# KiCad board AMC_FMC_Carrier-PcbDoc.kicad_pcb (continued)
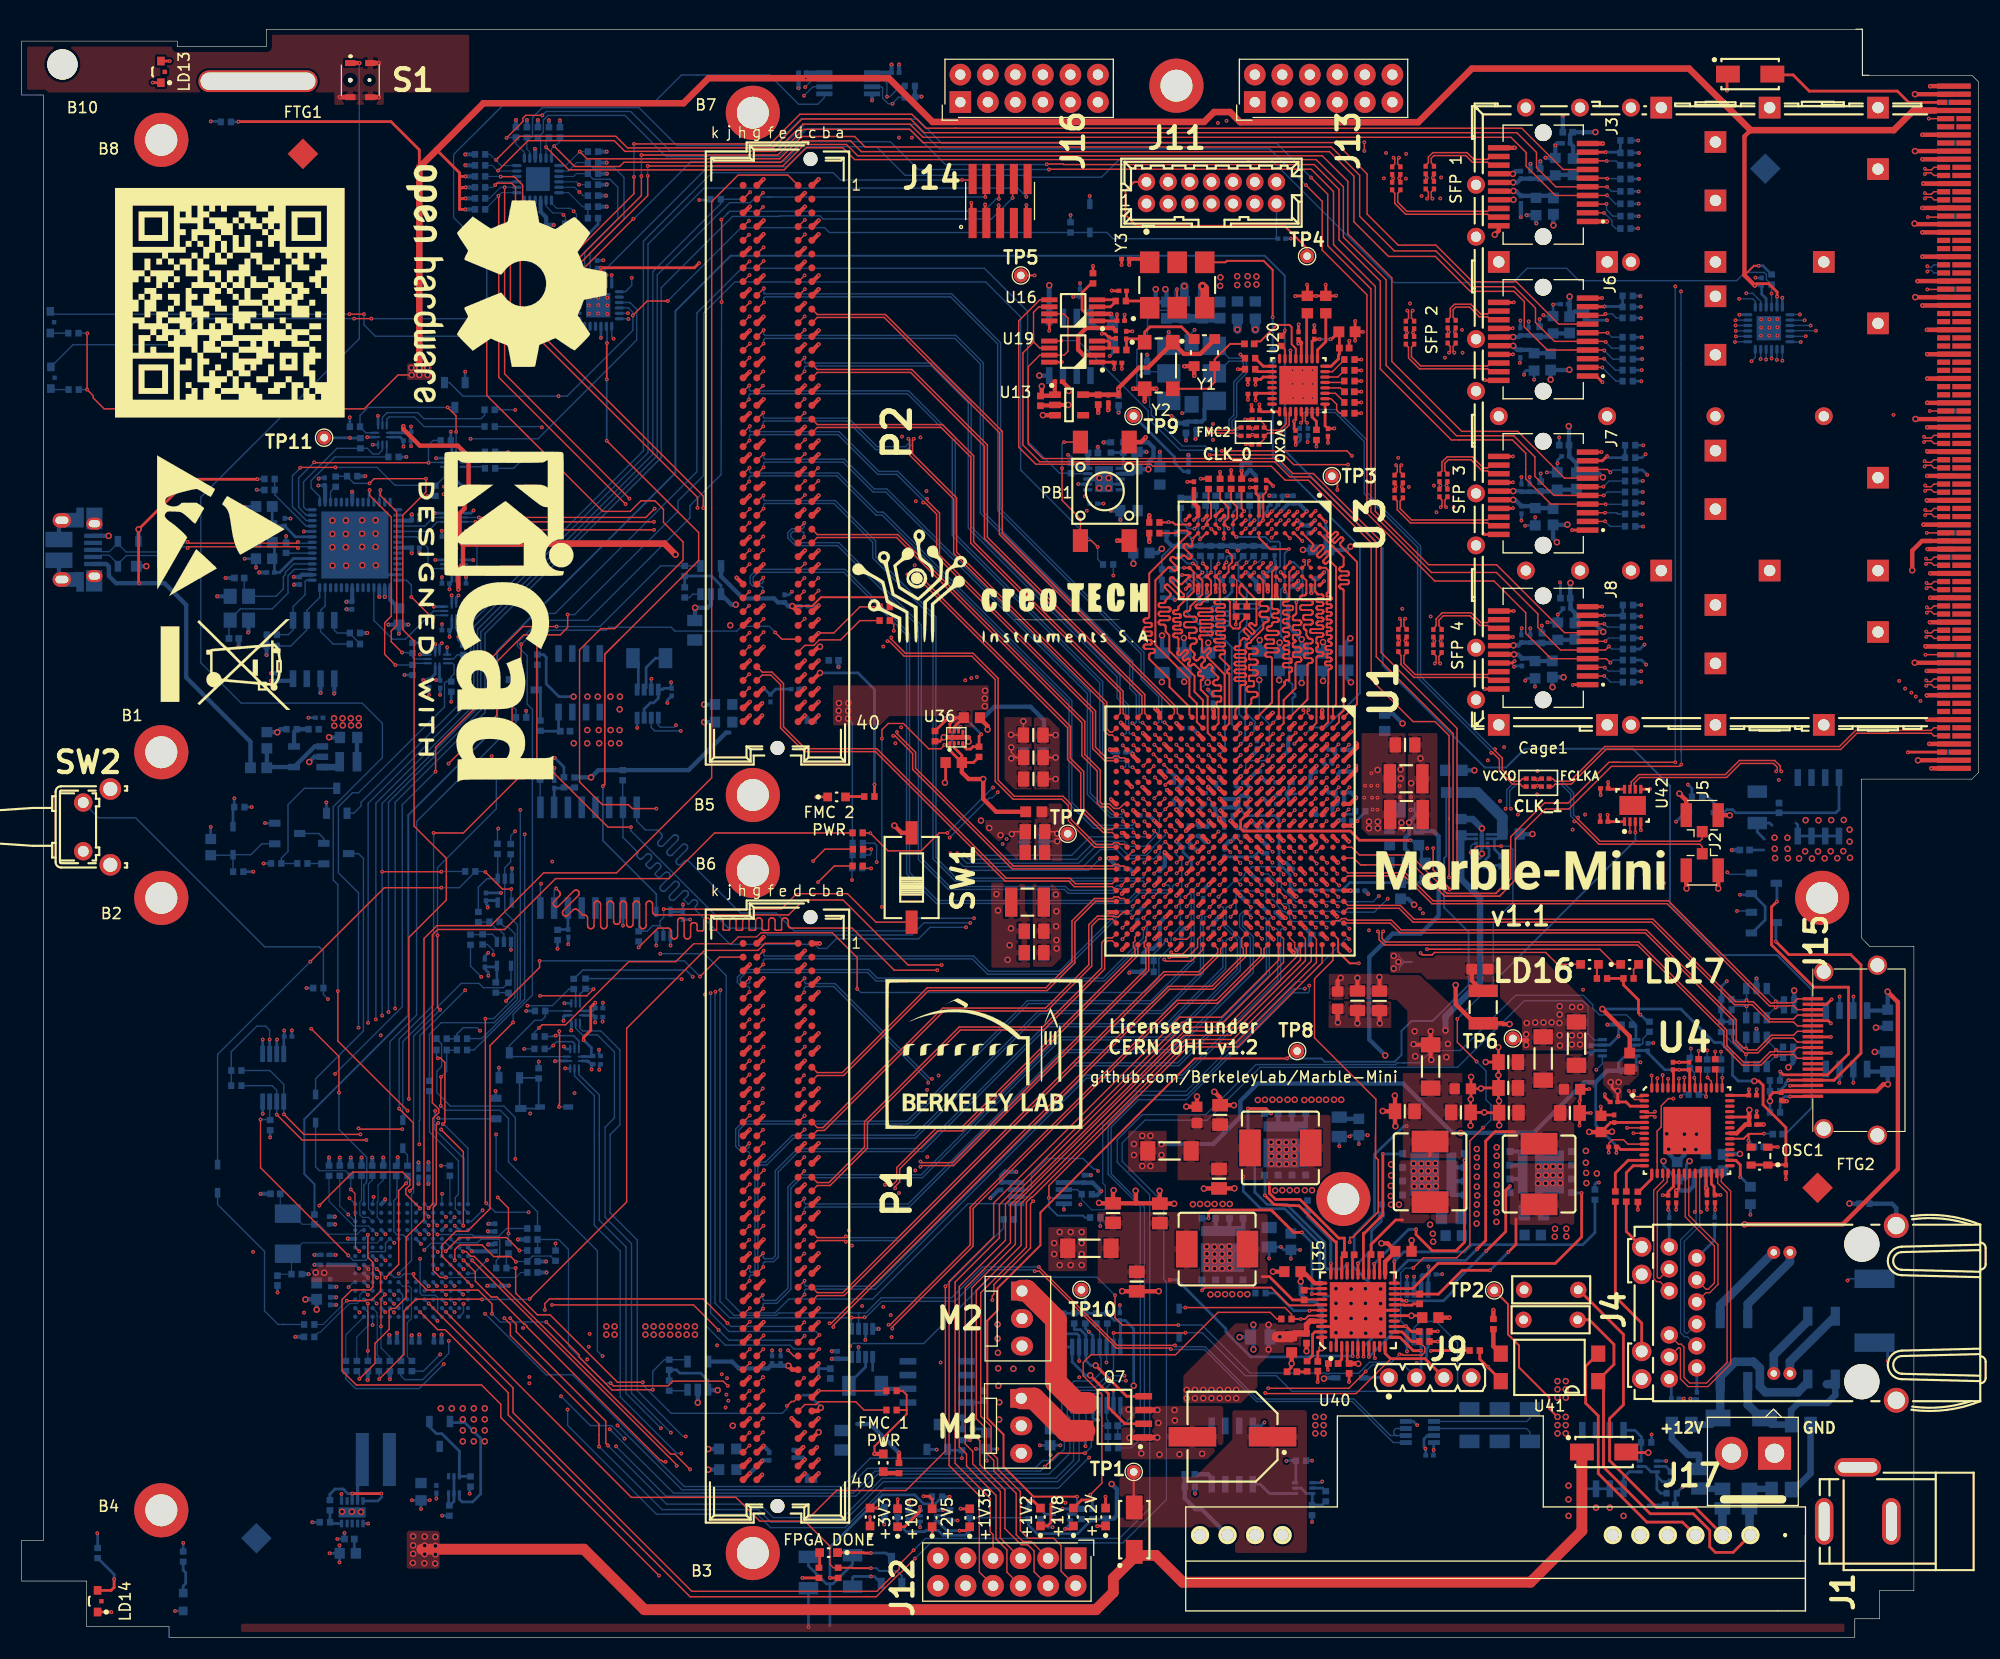
[diagram p0: board, top side]
## Routing (per net, layer and track width the routed paths; a pad name or vN(x,y) marks a point on that pad's centre or on a via; arc(x,y) is an arc through that point) (continued)
FMC1_LA_26_P: length 62.4
  Top w0.112: 115.54,65.45 v1(115.54,65.44)
  Top w0.13: U1.H20 115.03,65.95 v1(115.54,65.44) ; P1.d26 v1(72.26,32.93)
  Bottom w0.13: v1(72.26,32.93) 72.26,32.55 72.38,32.43 78.68,32.43 98.17,51.91 107.11,51.91 115.93,60.74 115.93,65.33 115.82,65.44 v1(115.54,65.44)
FMC1_LA_27_N: length 52
  Top w0.13: P1.c27 73.44,31.56 75.91,31.56 105.54,61.19 108.74,61.19 110.67,63.12 110.67,63.59 U1.M22
FMC1_LA_27_P: length 51.6
  Top w0.13: P1.c26 73.44,31.83 75.8,31.83 105.43,61.46 108.63,61.46 110.4,63.23 110.4,63.59 U1.N22
FMC1_LA_28_N: length 75.7
  Top w0.13: v1(110.57,69.48) 111.03,69.95 U1.M16 ; P1.h32 v1(67.21,25.34)
  In2.Cu w0.102: v1(110.57,69.48) 110.57,69.74 110.7,69.87 111.25,69.87 111.52,69.61 111.52,69.02 110.93,68.44 110.93,61.86 107.67,58.6 100.33,58.6 85.79,44.05 85.79,41.82 73.81,29.84 66.68,29.84 65.87,29.04 65.87,26.1 66.13,25.84 67.08,25.84 67.21,25.72 v1(67.21,25.34)
FMC1_LA_28_P: length 75.7
  Top w0.13: P1.h31 v1(67.21,26.61) ; v1(110.57,70.5) 111.03,70.96 U1.M15
  In2.Cu w0.102: v1(67.21,26.61) 67.21,26.2 67.08,26.07 66.23,26.07 66.1,26.2 66.1,28.95 66.77,29.62 73.91,29.62 86.02,41.72 86.02,43.96 100.43,58.37 107.77,58.37 111.16,61.76 111.16,68.34 111.75,68.93 111.75,69.71 111.35,70.1 110.7,70.1 110.57,70.24 v1(110.57,70.5)
FMC1_LA_29_N: length 62.2
  Top w0.13: P1.g31 67.86,26.01 v1(68.45,26.61) ; U1.K22 113.03,62.92 109.96,59.85 105.95,59.85 74.91,28.81 v1(74.91,28.66)
  In2.Cu w0.13: v1(68.45,26.61) 68.45,26.94 68.63,27.12 73.91,27.12 74.4,27.62 74.4,28.3 74.76,28.66 v1(74.91,28.66)
FMC1_LA_29_P: length 63
  Top w0.13: P1.g30 v1(68.48,27.88) ; U1.K21 112.61,64.54 112.61,63.76 112.76,63.61 112.76,63.03 109.85,60.12 105.84,60.12 74.72,29 v1(74.57,29)
  In2.Cu w0.13: v1(68.48,27.88) 68.48,27.55 68.63,27.39 73.79,27.39 74.13,27.73 74.13,28.41 74.57,28.85 v1(74.57,29)
FMC1_LA_30_N: length 78.1
  Top w0.13: v1(113.49,69.53) 113.06,69.96 U1.K16 ; P1.h35 v1(67.18,21.5)
  In2.Cu w0.102: v1(113.49,69.53) 113.23,69.53 113.09,69.39 113.09,68.09 112.71,67.71 112.71,61.56 108.53,57.38 101.57,57.38 87.21,43.02 87.21,41.21 81.52,35.52 81.52,27.42 76.11,22.01 67.31,22.01 67.18,21.88 v1(67.18,21.5)
FMC1_LA_30_P: length 77.7
  Top w0.13: v1(112.5,69.51) 112.04,69.96 U1.L16 ; P1.h34 v1(67.18,22.77)
  In2.Cu w0.102: v1(112.5,69.51) 112.72,69.51 112.86,69.37 112.86,68.18 112.48,67.8 112.48,61.65 108.44,57.61 101.48,57.61 86.98,43.11 86.98,41.31 81.29,35.62 81.29,27.52 76.01,22.24 67.31,22.24 67.18,22.36 v1(67.18,22.77)
FMC1_LA_31_N: length 67.3
  Top w0.13: P1.g34 67.86,22.2 v1(68.45,22.8) ; U1.H22 114.67,63.59 114.67,62.85 110.37,58.55 106.76,58.55 87.82,39.61 87.82,36.13 80.36,28.67 v1(80.36,28.52)
  In2.Cu w0.102: v1(80.36,28.52) 80.18,28.52 74.94,23.28 68.55,23.28 68.45,23.18 v1(68.45,22.8)
FMC1_LA_31_P: length 66.8
  Top w0.13: v1(80.01,28.86) 80.17,28.86 87.55,36.24 87.55,39.72 106.65,58.82 110.26,58.82 114.4,62.96 114.4,63.59 U1.J22 ; P1.g33 v1(68.43,24.02)
  In2.Cu w0.102: v1(80.01,28.86) 80.01,28.68 74.84,23.51 68.55,23.51 68.43,23.63 v1(68.43,24.02)
FMC1_LA_32_N: length 81.9
  Top w0.112: 116.62,67.37 v1(116.62,67.37)
  Top w0.13: U1.G18 116.04,67.96 v1(116.62,67.37) ; P1.h38 66.59,17.12 v1(67.18,17.72)
  In2.Cu w0.102: 116.64,67.49 116.64,67.63 116.53,67.74 116.2,67.74 116.09,67.63 116.09,61.56 109.32,54.79 102.87,54.79 90,41.93 90,39.89 84.14,34.03 84.14,25.67 76.67,18.2 67.31,18.2 67.18,18.07 v1(67.18,17.72)
FMC1_LA_32_P: length 81.9
  Top w0.112: 116.62,68.37 v1(116.62,68.35)
  Top w0.13: v1(67.18,18.91) 66.64,18.36 P1.h37 ; v1(116.62,68.35) 116.03,68.95 U1.G17
  In2.Cu w0.102: 116.61,68.2 116.61,68.06 116.52,67.97 116.1,67.97 115.86,67.73 115.86,67.68 115.87,67.68 115.87,61.66 109.22,55.02 102.77,55.02 89.78,42.02 89.78,39.99 83.91,34.12 83.91,25.76 76.57,18.43 67.31,18.43 67.18,18.55 v1(67.18,18.91)
FMC1_LA_33_N: length 78.8
  Top w0.112: 115.47,67.52 v1(115.54,67.52)
  Top w0.13: v1(115.54,67.52) 115.1,67.96 U1.H18 ; P1.g37 v1(68.43,18.94)
  In2.Cu w0.102: v1(68.43,18.94) 68.43,19.34 68.54,19.46 75.46,19.46 82.74,26.74 82.74,34.99 88.45,40.71 88.45,42.26 102.28,56.08 108.68,56.08 114.08,61.48 114.08,67.68 114.32,67.92 115.43,67.92 115.54,67.8 115.54,67.65
FMC1_LA_33_P: length 78.8
  Top w0.112: 115.47,68.52 v1(115.54,68.52)
  Top w0.13: v1(115.54,68.52) 115.1,68.96 U1.H17 ; v1(68.43,20.23) 67.86,19.66 P1.g36
  In2.Cu w0.102: v1(68.43,20.23) 68.43,19.8 68.54,19.68 75.36,19.68 82.51,26.83 82.51,35.09 88.23,40.8 88.23,42.35 102.19,56.31 108.59,56.31 113.85,61.58 113.85,67.78 114.23,68.15 115.43,68.15 115.52,68.24 115.52,68.39
FMC2_LA_0_N: length 72.3
  Top w0.13: v1(105.59,81.39) 106.02,80.96 U1.U5 ; P2.g7 v1(68.48,127.09)
  In5.Cu w0.102: v1(68.48,127.09) 68.48,127.49 68.59,127.61 82.81,127.61 90.59,119.83 90.59,100.88 105.97,85.5 105.97,81.77 v1(105.59,81.39)
FMC2_LA_0_P: length 72.6
  Top w0.13: U1.T5 107.01,80.96 v1(106.55,81.42) ; P2.g6 v1(68.48,128.36)
  In5.Cu w0.102: v1(68.48,128.36) 68.48,127.95 68.59,127.84 82.9,127.84 90.82,119.92 90.82,100.97 106.2,85.59 106.2,81.77 v1(106.55,81.42)
FMC2_LA_1_N: length 62.9
  Top w0.127: U1.AA4 102.03,81.97
  Top w0.13: P2.d9 71.72,123.93 v1(72.29,124.5) ; U1.AA4 102.03,81.97 v1(101.63,82.37)
  In2.Cu w0.102: v1(101.63,82.37) 101.91,82.37 102.02,82.47 102.02,84.1 101.96,84.16 101.96,87.4 89.88,99.48 89.88,117.26 82.13,125.01 72.39,125.01 72.29,124.9 v1(72.29,124.5)
FMC2_LA_1_P: length 63.3
  Top w0.13: P2.d8 71.69,125.2 v1(72.26,125.77) ; v1(102.62,82.38) 103.03,81.97 U1.Y4
  In2.Cu w0.102: v1(102.62,82.38) 102.34,82.38 102.25,82.47 102.25,84.2 102.19,84.26 102.19,87.5 90.11,99.58 90.11,117.36 82.23,125.23 72.39,125.23 72.26,125.36 v1(72.26,125.77)
FMC2_LA_2_N: length 69.6
  Top w0.102: 104.56,83.4 104.58,83.38 104.62,83.38
  Top w0.127: U1.V3 105.03,82.97
  Top w0.13: U1.V3 104.99,82.96 v1(104.6,83.35) ; P2.h8 v1(67.18,125.79)
  In5.Cu w0.102: v1(67.18,125.79) 67.18,126.15 67.35,126.31 81.51,126.31 89.22,118.61 89.22,99.81 103.95,85.08 103.95,84.12 104.24,83.82 104.85,83.82 104.95,83.72 104.95,83.45 104.85,83.35 104.57,83.35
FMC2_LA_2_P: length 70.1
  Top w0.102: 105.59,83.4 v1(105.55,83.4)
  Top w0.13: P2.h7 v1(67.18,127.06) ; U1.U3 105.99,82.96 v1(105.55,83.4)
  In5.Cu w0.102: 105.56,83.35 105.26,83.35 105.18,83.42 105.18,83.82 104.95,84.05 104.34,84.05 104.18,84.21 104.18,85.18 89.45,99.91 89.45,118.7 81.61,126.54 67.3,126.54 67.18,126.66 v1(67.18,127.06)
FMC2_LA_3_N: length 66.8
  Top w0.13: P2.g10 67.88,122.66 v1(68.5,123.28) ; U1.V2 105.03,84 v1(104.62,84.42)
  Bottom w0.13: v1(68.5,123.28) 68.5,123.71 68.58,123.79 85.73,123.79 90.08,119.44 90.08,104.07 103.32,90.84 103.32,88.48 104.95,86.84 104.95,85.94 104.96,85.93 104.96,85.6 104.95,85.59 104.95,84.52 104.85,84.42 v1(104.62,84.42)
FMC2_LA_3_P: length 67.4
  Top w0.127: 105.56,84.42 v1(105.49,84.49)
  Top w0.13: P2.g9 v1(68.5,124.57) ; U1.U2 106.02,83.96 v1(105.49,84.49)
  Bottom w0.13: v1(105.49,84.49) 105.28,84.49 105.22,84.55 105.22,85.48 105.23,85.49 105.23,86.04 105.22,86.05 105.22,86.95 103.59,88.59 103.59,90.95 90.36,104.18 90.36,119.55 85.84,124.06 68.58,124.06 68.5,124.14 v1(68.5,124.57)
FMC2_LA_4_N: length 75.1
  Top w0.127: 104.47,81.52 v1(104.47,81.55)
  Top w0.13: v1(104.47,81.55) 105.03,80.99 U1.V5 ; P2.h11 v1(67.18,121.98)
  In5.Cu w0.102: v1(104.47,81.55) 104.55,81.55 104.77,81.32 104.77,81.15 104.73,81.11 100.68,81.11 99.94,81.85 99.94,86.42 88.02,98.33 88.02,117.48 81.43,124.08 66.7,124.08 66.18,123.55 66.18,122.82 66.5,122.5 67.02,122.5 67.18,122.34 v1(67.18,121.98)
FMC2_LA_4_P: length 74.7
  Top w0.127: 105.44,80.55 v1(105.44,80.59)
  Top w0.13: U1.U6 106.03,79.99 v1(105.44,80.59) ; P2.h10 v1(67.21,123.28)
  In5.Cu w0.102: v1(67.21,123.28) 67.21,122.9 67.04,122.73 66.59,122.73 66.41,122.92 66.41,123.46 66.8,123.85 81.33,123.85 87.79,117.39 87.79,98.24 99.71,86.32 99.71,81.75 100.58,80.88 105.14,80.88 v1(105.44,80.59)
FMC2_LA_5_N: length 71.1
  Top w0.112: 106.58,80.4 v1(106.53,80.45) ; P2.d12 71.67,120.14
  Top w0.13: v1(72.26,120.74) 72.26,120.71 P2.d12 ; v1(106.53,80.45) 107.02,79.96 U1.T6
  In5.Cu w0.102: v1(106.53,80.45) 106.86,80.45 106.92,80.39 106.92,80.07 106.89,80.04 102.7,80.04 102.69,80.03 101.38,80.03 101.38,80.04 100.02,80.04 98.84,81.21 98.84,85.53 86.25,98.13 86.25,117.81 83.94,120.12 71.5,120.12 71.21,120.41 71.21,120.92 71.53,121.25 72.16,121.25 72.26,121.14 v1(72.26,120.74)
FMC2_LA_5_P: length 72.2
  Top w0.112: 107.59,80.4 v1(107.54,80.45)
  Top w0.13: v1(107.54,80.45) 108.03,79.97 U1.R6 ; P2.d11 v1(72.26,121.98)
  In5.Cu w0.102: v1(72.26,121.98) 72.26,121.58 72.16,121.48 71.44,121.48 70.98,121.01 70.98,120.31 71.4,119.89 83.85,119.89 86.02,117.72 86.02,98.03 98.61,85.44 98.61,81.12 99.93,79.81 101.28,79.81 101.29,79.8 102.79,79.8 102.79,79.81 106.98,79.81 107.15,79.97 107.15,80.39 107.21,80.45 v1(107.54,80.45)
FMC2_LA_6_N: length 55.1
  Top w0.13: U1.U1 106.4,85.32 106.4,85.7 90.24,101.86 90.24,111.26 79.61,121.89 73.44,121.89 P2.c11
FMC2_LA_6_P: length 55.5
  Top w0.13: U1.T1 106.67,85.32 106.67,85.81 90.51,101.97 90.51,111.37 79.72,122.16 73.44,122.16 P2.c10
FMC2_LA_7_N: length 70.7
  Top w0.112: U1.V8 105.02,77.96 v1(104.55,77.48)
  Top w0.13: P2.h14 v1(67.18,118.17)
  In5.Cu w0.102: v1(67.18,118.17) 67.18,118.6 67.3,118.72 82.07,118.72 84.49,116.3 84.49,97.32 97.34,84.47 97.34,80.69 100.08,77.95 104.83,77.95 104.93,77.85 104.93,77.58 104.82,77.48 104.54,77.48
FMC2_LA_7_P: length 71.1
  Top w0.13: P2.h13 v1(67.21,119.47) ; v1(105.51,77.46) 105.03,76.98 U1.V9
  In5.Cu w0.102: v1(67.21,119.47) 67.21,119.04 67.3,118.95 82.16,118.95 84.72,116.39 84.72,97.42 97.57,84.57 97.57,80.78 100.17,78.18 104.92,78.18 105.16,77.95 105.16,77.56 105.23,77.48 105.54,77.48
FMC2_LA_8_N: length 62.4
  Top w0.13: U1.Y2 102.97,83.96 v1(102.51,84.42) ; P2.g13 v1(68.48,119.47)
  Bottom w0.127: v1(102.51,84.42) 102.51,84.42
  Bottom w0.13: v1(68.48,119.47) 68.48,119.82 68.61,119.96 86.11,119.96 88.48,117.58 88.48,103.84 102.28,90.05 102.28,87.64 102.87,87.04 102.87,84.5 102.79,84.42 v1(102.51,84.42)
FMC2_LA_8_P: length 62.9
  Top w0.127: U1.W2 103.99,83.96
  Top w0.13: v1(68.48,120.71) 67.88,120.12 P2.g12 ; v1(103.45,84.47) 103.96,83.96 U1.W2
  Bottom w0.13: v1(103.45,84.47) 103.22,84.47 103.14,84.55 103.14,87.15 102.55,87.75 102.55,90.16 88.75,103.95 88.75,117.7 86.22,120.23 68.61,120.23 68.48,120.36 v1(68.48,120.71)
FMC2_LA_9_N: length 55.4
  Top w0.127: 101.59,83.4 v1(101.57,83.4)
  Top w0.13: P2.d15 v1(72.26,116.9) ; U1.AA3 102.01,82.96 v1(101.57,83.4)
  Bottom w0.13: v1(101.57,83.4) 101.85,83.4 101.96,83.51 101.96,84.08 101.9,84.14 101.9,85.96 101.11,86.75 101.11,88.7 87.37,102.45 87.37,114 83.97,117.4 72.38,117.4 72.26,117.28 v1(72.26,116.9)
FMC2_LA_9_P: length 55.9
  Top w0.127: 102.6,83.39 v1(102.6,83.43)
  Top w0.13: v1(102.6,83.43) 103.03,82.99 U1.Y3 ; P2.d14 v1(72.26,118.17)
  Bottom w0.13: v1(72.26,118.17) 72.26,117.77 72.36,117.67 84.08,117.67 87.64,114.11 87.64,102.56 101.38,88.82 101.38,86.86 102.17,86.07 102.17,84.25 102.23,84.19 102.23,83.51 102.31,83.43 v1(102.6,83.43)
FMC2_LA_10_N: length 50.2
  Top w0.13: U1.Y1 103.4,85.32 103.4,86.95 88.87,101.48 88.87,109.99 82.05,116.81 73.44,116.81 P2.c15
FMC2_LA_10_P: length 50.6
  Top w0.13: P2.c14 73.44,117.08 82.16,117.08 89.14,110.1 89.14,101.59 103.67,87.06 103.67,85.32 U1.W1
FMC2_LA_11_N: length 60.8
  Top w0.127: 101.64,80.36 v1(101.54,80.36)
  Top w0.13: v1(101.54,80.36) 101.94,79.96 U1.AA6 ; P2.h17 v1(67.13,114.31)
  Bottom w0.13: v1(101.54,80.36) 101.83,80.36 101.9,80.43 101.9,80.77 101.75,80.93 100.02,80.93 99.51,81.44 99.51,88.15 85.89,101.76 85.89,110.7 81.76,114.84 67.25,114.84 67.13,114.72 v1(67.13,114.31)
FMC2_LA_11_P: length 61.2
  Top w0.127: 102.64,80.36 v1(102.53,80.36)
  Top w0.13: v1(102.53,80.36) 102.93,79.96 U1.Y6 ; P2.h16 v1(67.16,115.61)
  Bottom w0.13: v1(102.53,80.36) 102.26,80.36 102.17,80.44 102.17,80.88 101.86,81.2 100.13,81.2 99.78,81.55 99.78,88.26 86.16,101.87 86.16,110.81 81.87,115.11 67.25,115.11 67.16,115.2 v1(67.16,115.61)
FMC2_LA_12_N: length 64.8
  Top w0.127: 103.55,80.48 v1(103.53,80.48)
  Top w0.13: P2.g16 67.88,115.04 v1(68.43,115.58) ; v1(103.53,80.48) 104.01,80.96 U1.W5
  In2.Cu w0.102: v1(68.43,115.58) 68.43,116.04 68.53,116.14 85.36,116.14 88.28,113.22 88.28,98.49 98.84,87.93 98.84,82.13 100,80.97 103.79,80.97 103.88,80.88 103.88,80.56 103.81,80.48 v1(103.53,80.48)
FMC2_LA_12_P: length 65.2
  Top w0.127: 104.49,80.42 v1(104.49,80.45)
  Top w0.13: v1(104.49,80.45) 104.03,79.99 U1.W6 ; P2.g15 v1(68.45,116.9)
  In2.Cu w0.102: v1(68.45,116.9) 68.45,116.47 68.55,116.37 85.45,116.37 88.51,113.32 88.51,98.59 99.07,88.02 99.07,82.23 100.1,81.2 103.88,81.2 104.11,80.97 104.11,80.56 104.22,80.45 v1(104.49,80.45)
FMC2_LA_13_N: length 59.4
  Top w0.13: v1(72.26,113.07) 71.69,112.5 P2.d18 ; U1.W7 104.03,78.99 v1(103.61,79.41)
  In2.Cu w0.102: v1(103.61,79.41) 103.91,79.41 103.99,79.49 103.99,79.78 103.89,79.88 102.94,79.88 102.64,79.58 98.73,79.58 97.07,81.24 97.07,85.72 87.06,95.72 87.06,109.62 83.07,113.6 72.36,113.6 72.26,113.5 v1(72.26,113.07)
FMC2_LA_13_P: length 59.8
  Top w0.13: U1.V7 105.03,78.98 v1(104.6,79.41) ; P2.d17 v1(72.26,114.36)
  In2.Cu w0.102: v1(72.26,114.36) 72.26,113.93 72.36,113.83 83.17,113.83 87.29,109.71 87.29,95.82 97.29,85.81 97.29,81.34 98.83,79.81 102.54,79.81 102.85,80.11 103.98,80.11 104.22,79.88 104.22,79.49 104.29,79.41 v1(104.6,79.41)
FMC2_LA_14_N: length 45.9
  Top w0.13: P2.c19 73.44,111.73 84.87,111.73 87.6,109 87.6,101.05 101.4,87.25 101.4,85.32 U1.AB1
FMC2_LA_14_P: length 46.4
  Top w0.13: U1.AA1 101.67,85.32 101.67,87.36 87.87,101.16 87.87,109.11 84.98,112 73.44,112 P2.c18
FMC2_LA_15_N: length 52
  Top w0.13: v1(67.18,110.53) 66.61,109.96 P2.h20 ; v1(83.21,104.79) 83.37,104.79 84.45,103.72 84.45,99.83 98.85,85.43 98.85,82.07 99.96,80.96 U1.AB5
  Bottom w0.13: v1(67.18,110.53) 67.18,110.98 67.26,111.07 75.34,111.07 79.01,107.4 80.77,107.4 83.21,104.95 v1(83.21,104.79)
FMC2_LA_15_P: length 53.2
  Top w0.13: U1.AA5 101.76,81.23 101.38,81.23 101.23,81.38 100.83,81.38 100.68,81.23 100.07,81.23 99.12,82.19 99.12,85.54 84.72,99.94 84.72,103.83 83.56,104.98 v1(83.56,105.14) ; P2.h19 v1(67.21,111.85)
  Bottom w0.13: v1(67.21,111.85) 67.21,111.39 67.26,111.34 75.46,111.34 79.13,107.67 80.88,107.67 83.41,105.14 v1(83.56,105.14)
FMC2_LA_16_N: length 52.3
  Top w0.13: P2.g19 v1(68.45,111.82) ; v1(82.34,110.68) 82.23,110.57 82.23,109.29 86.29,105.22 86.29,100.22 100.16,86.35 100.16,83.89 100.45,83.59 100.67,83.59 U1.AB2
  Bottom w0.13: v1(82.34,110.68) 82.23,110.57 82.23,110.22 81.69,109.68 78.84,109.68 76.19,112.32 68.55,112.32 68.45,112.23 v1(68.45,111.82)
FMC2_LA_16_P: length 52.3
  Top w0.13: U1.AB3 100.67,83.32 100.34,83.32 99.89,83.78 99.89,86.24 86.02,100.11 86.02,105.11 81.96,109.18 81.96,110.57 v1(81.85,110.68) ; P2.g18 v1(68.45,113.09)
  Bottom w0.13: v1(68.45,113.09) 68.45,112.69 68.55,112.59 76.31,112.59 78.95,109.95 81.58,109.95 81.96,110.33 81.96,110.57 v1(81.85,110.68)
FMC2_LA_17_N: length 64
  Top w0.127: U1.W12 104.03,73.96 v1(103.66,74.33)
  Top w0.13: v1(72.29,109.28) 71.69,108.69 P2.d21
  In2.Cu w0.102: v1(103.66,74.33) 103.66,74.59 103.5,74.74 97.91,74.74 97.31,75.34 90.15,75.34 85.79,79.7 85.79,106.85 82.79,109.84 72.41,109.84 72.29,109.71 v1(72.29,109.28)
FMC2_LA_17_P: length 64
  Top w0.13: U1.W11 104.02,74.96 v1(103.63,75.35) ; P2.d20 v1(72.31,110.6)
  In2.Cu w0.102: v1(72.31,110.6) 72.31,110.2 72.44,110.07 82.89,110.07 86.02,106.94 86.02,79.79 90.24,75.56 97.4,75.56 98,74.97 103.5,74.97 103.63,75.09 v1(103.63,75.35)
FMC2_LA_18_N: length 61.2
  Top w0.13: v1(73.53,106.79) 72.94,106.2 P2.c23 ; U1.V14 105.03,71.94 v1(104.65,71.56)
  In2.Cu w0.102: v1(73.53,106.79) 73.53,107.15 73.65,107.26 77.35,107.26 83.7,100.9 83.7,78.93 90.86,71.78 98.42,71.78 98.98,72.34 101.17,72.34 101.56,71.94 104.52,71.94 104.65,71.82 v1(104.65,71.56)
FMC2_LA_18_P: length 61.2
  Top w0.13: U1.V13 105.03,72.94 v1(104.65,72.55) ; P2.c22 v1(73.51,107.99)
  In2.Cu w0.102: v1(104.65,72.55) 104.65,72.3 104.52,72.17 101.66,72.17 101.27,72.57 98.88,72.57 98.33,72.01 90.95,72.01 83.93,79.03 83.93,101 77.44,107.49 73.6,107.49 73.51,107.58 v1(73.51,107.99)
FMC2_LA_19_N: length 56.6
  Top w0.13: U1.Y12 102.99,73.96 v1(102.62,74.33) ; P2.h23 66.59,106.17 v1(67.16,106.74)
  Bottom w0.13: v1(67.16,106.74) 67.16,107.12 67.29,107.26 75.24,107.26 78.86,103.64 79.42,103.64 96.66,86.39 96.66,76.99 98.94,74.72 102.53,74.72 102.62,74.64 v1(102.62,74.33)
FMC2_LA_19_P: length 56.6
  Top w0.13: v1(102.62,75.37) 103.03,74.96 U1.Y11 ; P2.h22 v1(67.18,108.01)
  Bottom w0.13: v1(102.62,75.37) 102.62,75.09 102.51,74.99 99.05,74.99 96.93,77.11 96.93,86.5 79.53,103.91 78.97,103.91 75.35,107.53 67.29,107.53 67.18,107.63 v1(67.18,108.01)
FMC2_LA_20_N: length 54.4
  Top w0.13: U1.AA11 102.03,74.97 v1(101.65,75.35) ; P2.g22 v1(68.48,108.04)
  Bottom w0.13: v1(101.65,75.35) 101.65,75.6 101.53,75.72 100.48,75.72 98.37,77.83 98.37,87.15 79.75,105.77 78.58,105.77 75.83,108.53 68.58,108.53 68.48,108.42 v1(68.48,108.04)
FMC2_LA_20_P: length 54.3
  Top w0.13: v1(68.48,109.28) 67.88,108.69 P2.g21 ; v1(101.62,76.34) 102,75.96 U1.AA10
  Bottom w0.13: v1(68.48,109.28) 68.48,108.93 68.61,108.8 75.94,108.8 78.69,106.04 79.86,106.04 98.64,87.27 98.64,77.94 100.59,75.99 101.53,75.99 101.62,76.09 v1(101.62,76.34)
FMC2_LA_21_N: length 56.7
  Top w0.13: v1(102.59,72.63) 102.03,72.07 U1.AA14 ; P2.h26 v1(67.18,102.93)
  In5.Cu w0.102: v1(67.18,102.93) 67.18,103.34 67.31,103.47 69.43,103.47 70.69,102.21 74.4,102.21 75.86,100.75 75.86,96.41 76.92,95.34 76.92,92.52 80.19,89.26 82.17,89.26 86.41,85.01 90.73,85.01 92.77,82.97 92.77,79.37 99.23,72.91 102.31,72.91 v1(102.59,72.63)
FMC2_LA_21_P: length 56.4
  Top w0.13: U1.Y13 103.03,72.98 v1(102.59,73.42) ; P2.h25 66.61,103.61 v1(67.21,104.2)
  In5.Cu w0.102: v1(102.59,73.42) 102.31,73.14 99.32,73.14 93,79.46 93,83.07 90.83,85.24 86.51,85.24 82.27,89.48 80.29,89.48 77.15,92.62 77.15,95.44 76.09,96.5 76.09,100.85 74.49,102.44 70.79,102.44 69.53,103.7 67.33,103.7 67.21,103.82 v1(67.21,104.2)
FMC2_LA_22_N: length 65.8
  Top w0.13: v1(103.61,69.42) 104.03,69.85 U1.W16 ; P2.g25 v1(68.48,104.23)
  Bottom w0.13: v1(103.61,69.42) 103.61,69.71 103.48,69.84 86.17,69.84 84.12,71.89 84.12,94.11 78.55,99.68 78.55,101.12 74.97,104.7 68.57,104.7 68.48,104.61 v1(68.48,104.23)
FMC2_LA_22_P: length 65.7
  Top w0.13: U1.W15 104.03,70.95 v1(103.58,70.5) ; P2.g24 67.91,104.88 v1(68.48,105.45)
  Bottom w0.13: v1(68.48,105.45) 68.48,105.07 68.57,104.97 75.09,104.97 78.82,101.24 78.82,99.79 84.39,94.23 84.39,72 86.28,70.11 103.47,70.11 103.58,70.22 v1(103.58,70.5)
FMC2_LA_23_N: length 51.2
  Top w0.13: P2.d24 v1(72.29,105.5) ; v1(103.61,76.39) 104.03,75.96 U1.W10
  In5.Cu w0.102: v1(103.61,76.39) 103.88,76.39 103.99,76.49 103.99,76.76 103.89,76.86 100.83,76.86 100.8,76.82 98.92,76.82 96.15,79.59 96.15,83.38 95.1,84.43 94.21,84.43 80.3,98.34 80.3,102.5 76.76,106.04 72.4,106.04 72.29,105.93 v1(72.29,105.5)
FMC2_LA_23_P: length 51.6
  Top w0.13: P2.d23 v1(72.31,106.79) ; U1.V10 105.03,75.96 v1(104.6,76.39)
  In5.Cu w0.102: v1(72.31,106.79) 72.31,106.36 72.4,106.27 76.86,106.27 80.53,102.6 80.53,98.43 94.31,84.66 95.2,84.66 96.38,83.47 96.38,79.69 99.02,77.05 100.7,77.05 100.74,77.09 103.98,77.09 104.22,76.86 104.22,76.47 104.29,76.39 v1(104.6,76.39)
FMC2_LA_24_N: length 61.4
  Top w0.13: U1.Y14 v1(102.61,71.54) ; P2.h29 66.61,98.53 v1(67.18,99.1)
  In2.Cu w0.102: v1(67.18,99.1) 67.18,99.48 67.03,99.63 66.38,99.63 66.18,99.43 66.18,98.94 67.76,97.36 78.48,97.36 82.64,93.2 82.64,78.55 90.42,70.76 99.14,70.76 99.44,71.07 102.92,71.07 103.01,71.15 103.01,71.45 102.92,71.54 v1(102.61,71.54)
FMC2_LA_24_P: length 62.6
  Top w0.112: 103.63,71.56 v1(103.63,71.54)
  Top w0.13: v1(103.63,71.54) 104.03,71.95 U1.W14 ; P2.h28 v1(67.18,100.39)
  In2.Cu w0.102: v1(103.63,71.54) 103.33,71.54 103.23,71.45 103.23,71.06 103.02,70.84 99.54,70.84 99.23,70.54 90.32,70.54 82.41,78.45 82.41,93.11 78.39,97.13 67.67,97.13 65.95,98.85 65.95,99.53 66.28,99.86 67.03,99.86 67.18,100.01 v1(67.18,100.39)
FMC2_LA_25_N: length 48.9
  Top w0.13: P2.g28 v1(68.45,100.39) ; v1(82.4,97.98) 82.56,97.98 96.54,84.01 96.54,81.06 97.76,79.84 97.76,76.39 99.82,74.32 100.67,74.32 U1.AB12
  In2.Cu w0.102: v1(82.4,97.98) 82.4,98.17 79.66,100.91 68.62,100.91 68.45,100.75 v1(68.45,100.39)
FMC2_LA_25_P: length 48.8
  Top w0.13: U1.AB11 100.67,74.59 99.93,74.59 98.03,76.5 98.03,79.95 96.81,81.17 96.81,84.12 82.75,98.18 v1(82.75,98.33) ; P2.g27 v1(68.45,101.66)
  In2.Cu w0.102: v1(68.45,101.66) 68.45,101.33 68.64,101.14 79.75,101.14 82.56,98.33 v1(82.75,98.33)
FMC2_LA_26_N: length 60.4
  Top w0.13: P2.d27 v1(72.21,101.61) ; v1(101.5,69.42) 102.03,69.96 U1.AA16
  Bottom w0.13: v1(101.5,69.42) 101.1,69.42 100.65,68.98 96.7,68.98 96.35,69.34 90.34,69.34 90.3,69.37 89.63,69.37 89.6,69.34 85.65,69.34 83.04,71.95 83.04,93.46 75.42,101.09 71.53,101.09 70.97,101.64 70.97,101.89 71.2,102.11 72.07,102.11 72.21,101.97 v1(72.21,101.61)
FMC2_LA_26_P: length 62.5
  Top w0.112: U1.Y16 103.02,69.96
  Top w0.13: U1.Y16 102.65,69.58 102.65,69.58 v1(102.49,69.42) ; P2.d26 v1(72.24,102.91)
  Bottom w0.13: v1(72.24,102.91) 72.24,102.55 72.07,102.38 71.09,102.38 70.7,102 70.7,101.53 71.42,100.82 75.31,100.82 82.77,93.35 82.77,71.84 85.54,69.07 89.71,69.07 89.74,69.1 90.19,69.1 90.22,69.07 96.23,69.07 96.59,68.71 100.77,68.71 101.21,69.15 101.26,69.15 101.33,69.08 101.66,69.08 101.73,69.15 102.22,69.15 v1(102.49,69.42)
FMC2_LA_27_N: length 42.4
  Top w0.13: U1.AB10 100.3,76.69 99.61,76.69 99.28,77.02 99.28,79.99 97.86,81.41 97.86,84.46 80.75,101.57 73.44,101.57 P2.c27
FMC2_LA_27_P: length 43.5
  Top w0.13: P2.c26 73.44,101.84 80.87,101.84 98.13,84.57 98.13,81.53 99.55,80.1 99.55,77.13 99.72,76.96 100.41,76.96 100.83,76.54 101.32,76.54 101.74,76.96 U1.AA9
FMC2_LA_28_N: length 55.7
  Top w0.13: U1.T15 107.01,70.96 v1(106.6,70.55) ; P2.h32 v1(67.13,95.26)
  In5.Cu w0.102: v1(106.6,70.55) 106.22,70.93 96.43,70.93 93.99,73.37 93.99,76.09 89.46,80.62 85.04,80.62 82.51,83.15 82.51,85.21 75.65,92.07 75.65,93.89 73.74,95.81 67.25,95.81 67.13,95.69 v1(67.13,95.26)
FMC2_LA_28_P: length 55.7
  Top w0.13: P2.h31 v1(67.16,96.56) ; v1(106.6,71.54) 107.02,71.96 U1.T14
  In5.Cu w0.102: v1(67.16,96.56) 67.16,96.13 67.25,96.04 73.83,96.04 75.88,93.99 75.88,92.16 82.74,85.3 82.74,83.24 85.14,80.85 89.56,80.85 94.22,76.18 94.22,73.47 96.53,71.16 106.22,71.16 v1(106.6,71.54)
FMC2_LA_29_N: length 69.8
  Top w0.13: v1(105.41,69.48) 105.89,69.96 U1.U16 ; P2.g31 v1(68.43,96.56)
  Bottom w0.13: v1(105.41,69.48) 105.82,69.48 105.94,69.35 105.94,69.07 105.87,69.01 103.07,69.01 102.1,68.04 84.54,68.04 81.95,70.63 81.95,92.68 76,98.62 67.86,98.62 67.25,98.01 67.25,97.31 67.51,97.06 68.28,97.06 68.43,96.91 v1(68.43,96.56)
FMC2_LA_29_P: length 69.3
  Top w0.127: 106.65,69.58 v1(106.65,69.51)
  Top w0.13: P2.g30 v1(68.45,97.85) ; v1(106.65,69.51) 107.03,69.88 U1.T16
  Bottom w0.13: v1(68.45,97.85) 68.45,97.47 68.31,97.33 67.62,97.33 67.52,97.43 67.52,97.9 67.97,98.35 75.89,98.35 81.68,92.56 81.68,70.52 84.42,67.77 102.21,67.77 103.18,68.74 106.04,68.74 106.22,68.92 106.22,69.35 106.37,69.51 v1(106.65,69.51)
FMC2_LA_30_N: length 55.6
  Top w0.127: U1.V15 104.96,70.96
  Top w0.13: P2.h35 v1(67.18,91.5) ; v1(104.52,70.53) 104.95,70.96 U1.V15
  In5.Cu w0.102: v1(104.52,70.53) 104.84,70.53 104.96,70.42 104.96,70.12 104.88,70.05 95.6,70.05 92.6,73.06 92.6,74.53 90.17,76.96 84.68,76.96 78.55,83.09 78.55,87.54 75.08,91.01 66.24,91.01 66.13,91.12 66.13,91.68 66.47,92.02 67.07,92.02 67.18,91.91 v1(67.18,91.5)
FMC2_LA_30_P: length 56.6
  Top w0.13: P2.h34 v1(67.18,92.77) ; v1(105.59,70.5) 106.03,70.94 U1.U15
  In5.Cu w0.102: v1(67.18,92.77) 67.18,92.37 67.07,92.25 66.37,92.25 65.9,91.78 65.9,91.02 66.14,90.78 74.98,90.78 78.32,87.44 78.32,83 84.58,76.73 90.07,76.73 92.37,74.44 92.37,72.96 95.51,69.82 104.98,69.82 105.18,70.03 105.18,70.42 105.26,70.5 v1(105.59,70.5)
FMC2_LA_31_N: length 48.7
  Top w0.13: P2.g34 67.86,92.2 v1(68.48,92.82) ; v1(79.91,91.99) 80.07,91.99 81.45,90.61 87.7,90.61 89.86,88.45 89.86,79.05 91.51,77.4 96.01,77.4 96.61,76.79 96.61,75.39 99.05,72.96 U1.AB13
  In2.Cu w0.102: v1(79.91,91.99) 79.91,92.17 78.77,93.32 68.64,93.32 68.48,93.15 v1(68.48,92.82)
FMC2_LA_31_P: length 49.9
  Top w0.13: v1(80.26,92.34) 80.26,92.18 81.56,90.88 87.81,90.88 90.13,88.56 90.13,79.16 91.62,77.67 96.12,77.67 96.88,76.9 96.88,75.51 99.16,73.23 100.68,73.23 100.83,73.38 101.23,73.38 101.38,73.23 101.76,73.23 U1.AA13 ; v1(68.48,94.04) 67.88,93.45 P2.g33
  In2.Cu w0.102: v1(68.48,94.04) 68.48,93.74 68.67,93.55 78.86,93.55 80.07,92.34 v1(80.26,92.34)
FMC2_LA_32_N: length 43.2
  Top w0.13: U1.AB15 91.42,70.96 82.24,80.14 82.24,81.62 80.6,83.25 v1(80.45,83.25) ; P2.h38 v1(67.16,87.67)
  In2.Cu w0.102: v1(80.45,83.25) 80.45,83.44 75.69,88.19 67.27,88.19 67.16,88.07 v1(67.16,87.67)
FMC2_LA_32_P: length 44.4
  Top w0.13: v1(80.79,83.6) 80.79,83.44 82.51,81.73 82.51,80.26 91.53,71.23 100.68,71.23 100.83,71.38 101.23,71.38 101.38,71.23 101.76,71.23 U1.AA15 ; P2.h37 v1(67.16,88.94)